# Altium PCB Thrust Stand Board.PcbDoc (continued)
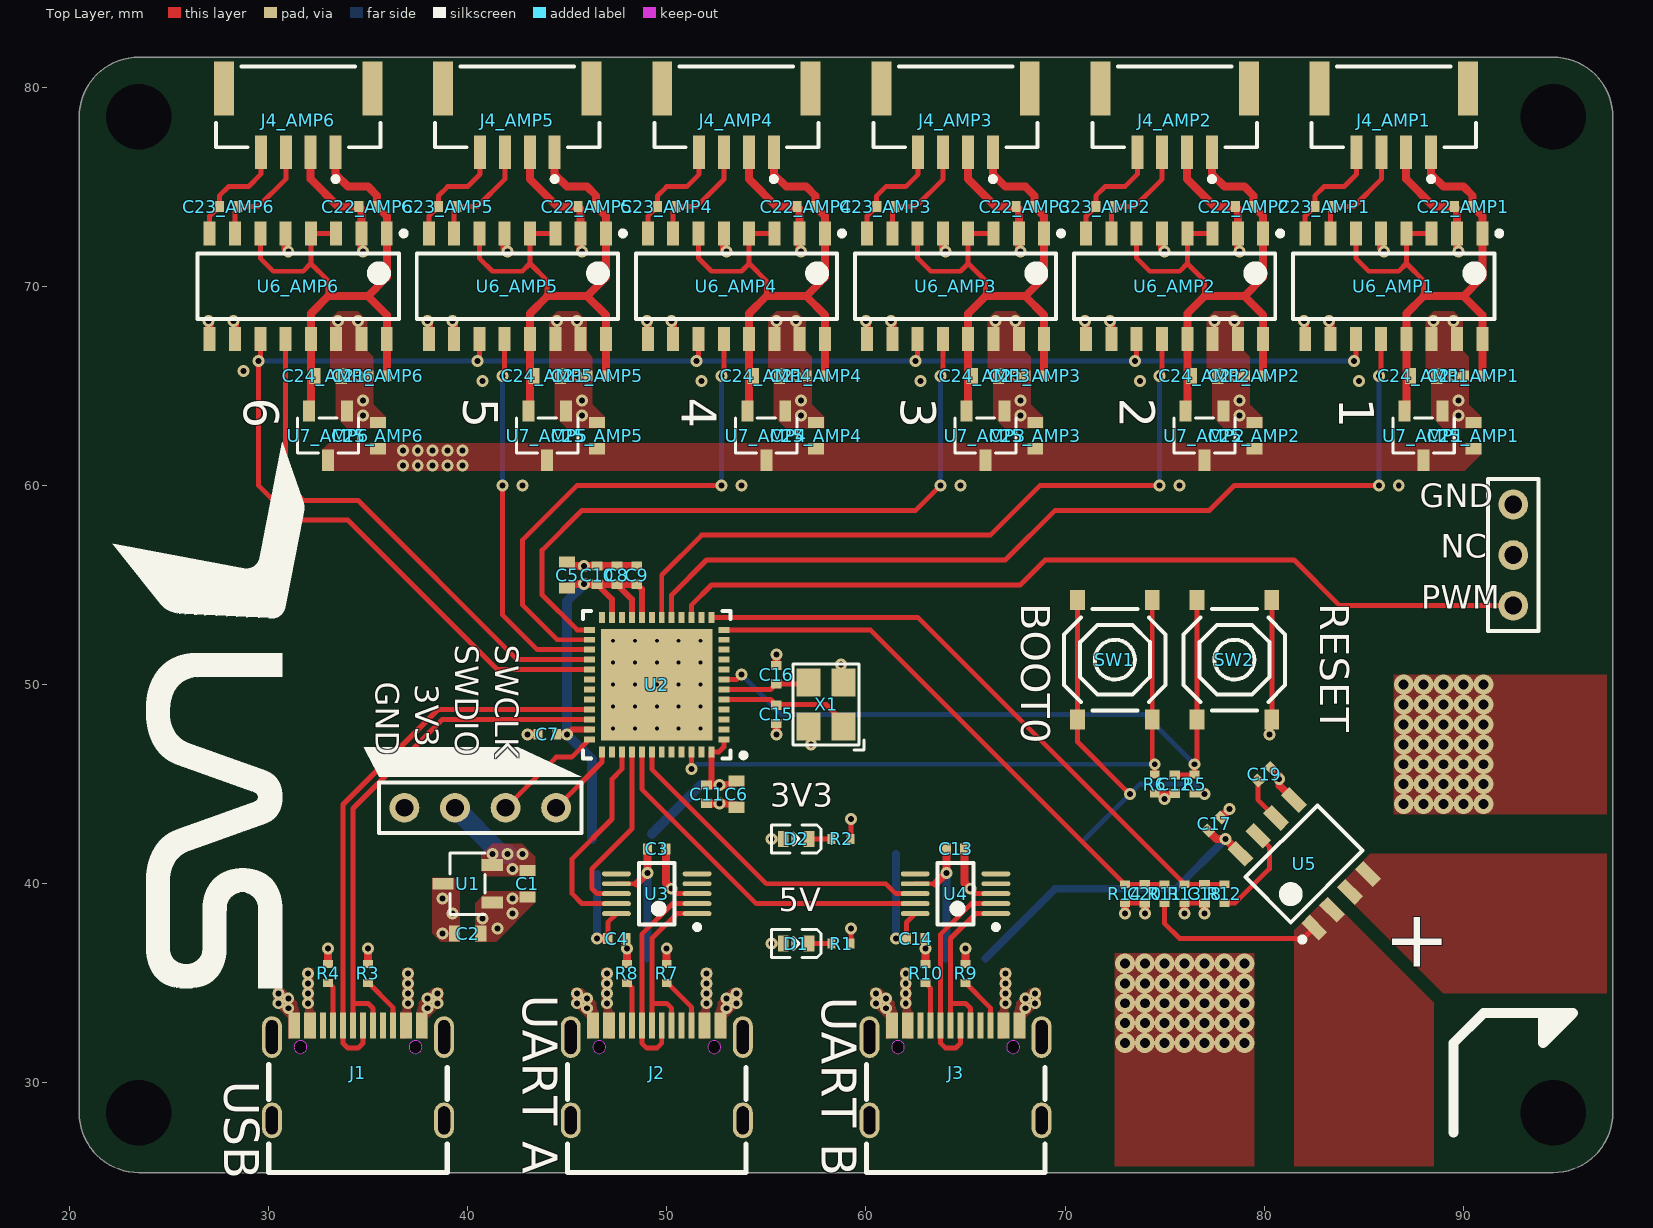
[diagram p0: Top Layer view]
## Footprints (in the part's own frame and the unit in brackets; to place one, negate y for a bottom-side part, rotate by r counter-clockwise, add the part's x,y. Pads: shape width x height; smd on the part's side, far side on the other; paste and mask are expansions set on the pad) (continued)
  silkscreen extent -2.55,-2.55 2.55,2.55, body extent -3.25,-2.55 3.25,2.55, height 1.4
USB-TYPE-C-12+4P [mm]
  oval 1x2.1 hole 0.6 slot 1.7 at 90 deg mask+0.05: 1(-4.32,1.801) 2(4.32,1.801)
  oval 1x1.8 hole 0.6 slot 1.4 at 90 deg mask+0.05: 3(-4.32,-2.379) 4(4.32,-2.379)
  round 0 hole 0.65 unplated: 6(-2.89,1.302) 7(2.89,1.301)
  rect 0.6x1.3 smd mask+0.05: A1B12(-3.2,2.379) A4B9(-2.4,2.379) B1A12(3.2,2.379) B4A9(2.4,2.379)
  rect 0.3x1.3 smd mask+0.05: A5(-1.25,2.379) A6(-0.25,2.379) A7(0.25,2.379) A8(1.25,2.379) B5(1.75,2.379) B6(0.75,2.379) B7(-0.75,2.379) B8(-1.75,2.379)
  Keep-Out Layer board cut-out: -2.565,1.302 -2.597,1.443 -2.687,1.556 -2.818,1.619 -2.962,1.619 -3.093,1.556 -3.183,1.443 -3.215,1.302 -3.215,1.302 -3.183,1.161 -3.093,1.048 -2.962,0.985 -2.818,0.985 -2.687,1.048 -2.597,1.161 -2.565,1.302
  Keep-Out Layer board cut-out: 3.215,1.301 3.183,1.442 3.093,1.555 2.962,1.618 2.818,1.618 2.687,1.555 2.597,1.442 2.565,1.301 2.565,1.301 2.597,1.16 2.687,1.047 2.818,0.984 2.962,0.984 3.093,1.047 3.183,1.16 3.215,1.301
  silkscreen extent -4.48,-4.99 4.48,0.44, body extent -4.47,-4.95 4.47,2.95, height 3.23

## Part data
C1 C2 C5 C6 C24_AMP1 C24_AMP2 C24_AMP3 C24_AMP4 C24_AMP5 C24_AMP6 C25_AMP1 C25_AMP2 C25_AMP3 C25_AMP4 C25_AMP5 C25_AMP6: library part "Generic CAP 0603"
C3 C4 C7 C8 C9 C10 C11 C12 C13 C14 C15 C16 C17 C18 C19 C20 C21_AMP1 C21_AMP2 C21_AMP3 C21_AMP4 C21_AMP5 C21_AMP6 C22_AMP1 C22_AMP2 C22_AMP3 C22_AMP4 C22_AMP5 C22_AMP6 C23_AMP1 C23_AMP2 C23_AMP3 C23_AMP4 C23_AMP5 C23_AMP6: library part "Generic CAP 0402"
J1 J2 J3: "Connector Type:Type-C Standard:- Gender:Female Number of Contacts:16 Number of Ports:1 Mounting Style:Surface Mount Current Rating - Power (Max):3A Operating Temperature Range:-25℃~+85℃ Operating Temperature Range:-25℃~+85℃", Current Rating - Power (Max)=3A, JLCPCB Part Class="Extended Part", LCSC Part Name="Type-C 母座 卧贴", Manufacturer=DEALON(德艺隆), Operating Temperature Range=-25℃~+85℃, Add into BOM=yes, Connector Type=Type-C, Convert to PCB=yes, Datasheet=https://atta.szlcsc.com/upload/public/pdf/source/20211217/CCD3D517E355E8E0CC52ABD8D5784AD8.pdf, Device=USB-TYPE-C-019, Gender=Female, Manufacturer Part=USB-TYPE-C-019, Mounting Style="Surface Mount", Number of Contacts=16, Number of Ports=1, Standard=-, Supplier=LCSC, Supplier Footprint=SMD, Supplier Part=C2927039, Symbol=USB-TYPE-C-019
J4_AMP1 J4_AMP2 J4_AMP3 J4_AMP4 J4_AMP5 J4_AMP6: library part CMP-17439-000411-1, "CONN HEADER SMD R/A 4POS 1.25MM", Current Rating=1A, Housing Color=Natural, Voltage Rating=50V, Contact Material=Bronze, Contact Plating=Tin, Housing Material=Nylon, Lead Free="Lead Free", Mount="Surface Mount", Number of Contacts=4, Number of Positions=4, Number of Rows=1, Orientation="Right Angle", Packaging="Cut Tape", Pitch=1.25mm, REACH SVHC="No SVHC", Series=GH, Termination=Solder
R1 R2 R3 R4 R5 R6 R7 R8 R9 R10 R11 R12 R13 R14: library part "Generic RES 0402"
SW1 SW2: library part "Push Button TS-1187A-B-A-B", JLCPCB Part Class="Basic Part", Add into BOM=yes, Convert to PCB=yes, Device=TS-1187A-B-A-B, Manufacturer Part=TS-1187A-B-A-B, Supplier=LCSC, Supplier Part=C318884, Symbol=TS-1187A-B-A-B
U1 U7_AMP1 U7_AMP2 U7_AMP3 U7_AMP4 U7_AMP5 U7_AMP6: library part "3.3V Regulator XC6206P332MR_C5446", "Output Type: Output Polarity:Positive Number of Outputs:1 Maximum Input Voltage:6V Output Voltage:3.3V~3.3V Output Voltage:3.3V~3.3V Dropout Voltage:680mV@(100mA) Output Current:200mA Power Supply Rejection Ratio (PSRR):-", Dropout Voltage=680mV@(100mA), JLCPCB Part Class="Basic Part", LCSC Part Name="正 Vin=6V Vout=3.3V 200mA", Manufacturer=TOREX(特瑞仕), Maximum Input Voltage=6V, Output Current=200mA, Output Voltage=3.3V~3.3V, Power Supply Rejection Ratio (PSRR)=-, Add into BOM=yes, Convert to PCB=yes, Datasheet=https://atta.szlcsc.com/upload/public/pdf/source/20130801/1457706628791.pdf, Device=XC6206P332MR_C5446, Manufacturer Part=XC6206P332MR, Number of Outputs=1, Output Polarity=Positive, Supplier=LCSC, Supplier Footprint=SOT-23-3L, Supplier Part=C5446, Symbol=XC6206P332MR
U5: library part MT9223CT-XXXR5
X1: library part "Crystal 25MHz X322525MOB4SI", "Crystal Type:SMD Crystal Resonator Frequency: Frequency Tolerance:±10ppm Frequency Tolerance:±10ppm Frequency Stability:±30ppm Frequency Stability:±30ppm Load Capacitance: Operating Temperature: Operating Temperature:", Frequency Stability=±30ppm, Frequency Tolerance=±10ppm, JLCPCB Part Class="Basic Part", LCSC Part Name="25MHz ±10ppm 12pF", Manufacturer=YXC(扬兴晶振), Manufacturer Part=X322525MOB4SI, Add into BOM=yes, Convert to PCB=yes, Crystal Type="SMD Crystal Resonator", Datasheet=https://atta.szlcsc.com/upload/public/pdf/source/20210329/C112971_1F611BDC486E193C1706F6D8EB5AA189.pdf, Device=X322525MOB4SI, Supplier=LCSC, Supplier Footprint=SMD3225-4P, Supplier Part=C9006, Symbol=X322525MOB4SI

## Free pads (board coordinates)
  round 0 hole 3.3 unplated: HS9(23.5,28.5) HS9(23.5,78.5) HS9(94.5,28.5) HS9(94.5,78.5)
  round 1.5 hole 0.9: HS10(36.83,43.815) HS10(39.37,43.815) HS10(41.91,43.815) HS10(44.45,43.815) HS10(92.5,53.96) HS10(92.5,56.5) HS10(92.5,59.04)

## Via types
v1: diameter 0.6, hole 0.3, Top Layer to Bottom Layer, tented both sides, 191 vias
v2: diameter 1, hole 0.5, Top Layer to Bottom Layer, tented both sides, 70 vias
v3: diameter 0.5, hole 0.2, Top Layer to Bottom Layer, tented bottom, 25 vias

## Nets (pads, with @x,y where several pads share a name; then routed paths per layer and width w, separated by ;. In a path a pad name is that pad's centre, name@x,y a point inside that pad or via, vN(x,y) a via of type N, cw(c..) or ccw(c..) an arc to the next point about the centre after c; other vN are vias at no path point)
+3.3: C1.2 C4.2 C5.2 C6.2 C7.2 C8.2 C9.2 C10.2 C11.2 C14.2 D2.1 pad.HS10@39.37,43.815 R5.2 SW1.3 SW1.4 U1.2 U2.1 U2.20 U2.21 U2.23 U2.35 U2.48 U3.10 U4.10 | length 67.4
  Top Layer w0.25: C4.2 47.04,38.065 U3.10 ; U2.48 52.625,46.625 52.875,46.875 U2.1 ; v1(55.25,42.25) D2.1 ; C14.2 62.04,38.065 U4.10 ; SW1.3 SW1.4 70.625,47.125 v1(73.25,44.5)
  Top Layer w0.3: v1(45,47.5) 45.25,47.75 U2.35 ; C10.2 47.25,54.29 U2.23 ; C8.2 48.25,54.29 U2.21 ; C9.2 48.75,54.79 U2.20 ; C11.2 52.25,45.21 U2.48
  Top Layer w0.4: C7.2 v1(45,47.5) ; C5.2 45.2,55.04 v1(45.85,55.04) C10.2 C8.2 C9.2 ; v1(46.5,37.25) C4.2 ; C11.2 v1(52.65,44.96) 53.3,44.96 C6.2 ; v1(61.5,37.25) C14.2
  Bottom Layer w0.25: 71,42.25 v1(73.25,44.5) 73.75,45 76.5,45 v1(77,44.5)
  Bottom Layer w0.4: v1(46.5,37.25) 46.5,40.5 ; v1(61.5,37.25) 61.5,41.5
  Bottom Layer w0.5: v1(45.85,55.04) 45,54.19 v1(45,47.5) 46.25,46.25 46.25,42.25 ; 49.25,42.5 51.71,44.96 v1(52.65,44.96)
  Bottom Layer w1: pad.HS10@39.37,43.815 41.685,41.5 v1(42,41.5)
  other v1: 42.25,40.75 41.25,41.5 42.75,41.5
+5: C2.2 C3.2 C13.2 C17.2 C25_AMP1.2 C25_AMP2.2 C25_AMP3.2 C25_AMP4.2 C25_AMP5.2 C25_AMP6.2 D1.1 J1.A4B9 J1.B4A9 J2.A4B9 J2.B4A9 J3.A4B9 J3.B4A9 U1.3 U3.7 U4.7 U5.8 U7_AMP1.3 U7_AMP2.3 U7_AMP3.3 U7_AMP4.3 U7_AMP5.3 U7_AMP6.3 | length 31.9
  Top Layer w0.25: U3.7 48.5,40 ; v1(55.25,37) D1.1 ; U4.7 63.5,40
  Top Layer w0.4: 48.5,40 v1(49.04,40.54) C3.2 ; 63.5,40 v1(64.04,40.54) C13.2 ; C17.2 77.599,42.25 v1(78.056,42.25) U5.8
  Bottom Layer w0.4: 49,36.25 49.04,36.29 v1(49.04,40.54) ; 64,36.25 64.04,36.29 v1(64.04,40.54) ; 66,36.25 69.5,39.75 75.556,39.75 v1(78.056,42.25)
  other v1: 32,34 37,34 47,34 52,34 62,34 67,34 32,34.5 37,34.5 47,34.5 52,34.5 62,34.5 67,34.5 32,35 37,35 47,35 52,35 62,35 67,35 32,35.5 37,35.5 47,35.5 52,35.5 62,35.5 67,35.5 38.75,37.5 39.25,38.5 38.75,39.25 36.75,61 37.5,61 38.25,61 39,61 39.75,61 36.75,61.75 37.5,61.75 38.25,61.75 39,61.75 39.75,61.75
BATTIN: R11.2 U5.1 U5.2 | length 9.1
  Top Layer w0.25: R11.2 75,38 75.75,37.25 81.962,37.25 U5.1
BATTOUT: U5.3 U5.4
BOOT0: R6.1 SW1.1 SW1.2 U2.46 | length 33.1
  Top Layer w0.25: v1(51.25,45.75) U2.46 ; SW1.1 SW1.2 74.375,46.125 v1(74.5,46) R6.1
  Bottom Layer w0.25: v1(51.25,45.75) 51.5,46 v1(74.5,46)
DOUT_AMP1: U2.17 U6_AMP1.12 | length 46.3
  Top Layer w0.25: U2.17 50.25,54.5 52,56.25 67,56.25 69.5,58.75 77.25,58.75 78.5,60 v1(85.75,60) ; v1(85.75,65.5) 85.865,65.615 U6_AMP1.12
  Bottom Layer w0.25: v1(85.75,60) v1(85.75,65.5)
DOUT_AMP2: U2.18 U6_AMP2.12 | length 36.4
  Top Layer w0.25: U2.18 49.75,55.5 51.75,57.5 66.25,57.5 68.75,60 v1(74.75,60) ; v1(74.75,65.5) 74.865,65.615 U6_AMP2.12
  Bottom Layer w0.25: v1(74.75,60) v1(74.75,65.5)
DOUT_AMP3: U2.25 U6_AMP3.12 | length 34.1
  Top Layer w0.25: U2.25 45.5,52.75 43.75,54.5 43.75,56.75 45.75,58.75 62.5,58.75 v1(63.75,60) ; v1(63.75,65.5) 63.865,65.615 U6_AMP3.12
  Bottom Layer w0.25: v1(63.75,60) v1(63.75,65.5)
DOUT_AMP4: U2.26 U6_AMP4.12 | length 25.9
  Top Layer w0.25: U2.26 44.5,52.25 42.75,54 42.75,57.25 45.5,60 v1(52.75,60) ; v1(52.75,65.5) 52.865,65.615 U6_AMP4.12
  Bottom Layer w0.25: v1(52.75,60) v1(52.75,65.5)
DOUT_AMP5: U2.27 U6_AMP5.12 | length 19
  Top Layer w0.25: v1(41.75,60) 41.75,53.5 43.5,51.75 U2.27 ; v1(41.75,65.5) 41.865,65.615 U6_AMP5.12
  Bottom Layer w0.25: v1(41.75,60) v1(41.75,65.5)
DOUT_AMP6: U2.28 U6_AMP6.12 | length 26.2
  Top Layer w0.25: U6_AMP6.12 30.865,60.135 31.75,59.25 34.5,59.25 42.5,51.25 U2.28
ESC_OUT: pad.HS10@92.5,53.96 U2.15 | length 43.8
  Top Layer w0.25: U2.15 51.25,54 52.25,55 67.75,55 69,56.25 81.5,56.25 83.79,53.96 pad.HS10@92.5,53.96
GND: C1.1 C2.1 C3.1 C4.1 C5.1 C6.1 C7.1 C8.1 C9.1 C10.1 C11.1 C12.1 C13.1 C14.1 C15.1 C16.1 C17.1 C18.1 C19.1 C20.1 C21_AMP1.1 C21_AMP2.1 C21_AMP3.1 C21_AMP4.1 C21_AMP5.1 C21_AMP6.1 C22_AMP1.1 C22_AMP2.1 C22_AMP3.1 C22_AMP4.1 C22_AMP5.1 C22_AMP6.1 C24_AMP1.1 C24_AMP2.1 C24_AMP3.1 C24_AMP4.1 C24_AMP5.1 C24_AMP6.1 C25_AMP1.1 C25_AMP2.1 C25_AMP3.1 C25_AMP4.1 C25_AMP5.1 C25_AMP6.1 J1.A1B12 J1.B1A12 J2.A1B12 J2.B1A12 J3.A1B12 J3.B1A12 J4_AMP1.2 J4_AMP2.2 J4_AMP3.2 J4_AMP4.2 J4_AMP5.2 J4_AMP6.2 pad.HS10@36.83,43.815 pad.HS10@92.5,59.04 R1.1 R2.1 R3.1 R4.1 R6.2 R7.1 R8.1 R9.1 R10.1 R13.1 R14.1 SW2.1 SW2.2 U1.1 U2.49 U3.3 U4.3 U5.5 U6_AMP1.2 U6_AMP1.5 U6_AMP1.9 U6_AMP1.10 U6_AMP1.14 U6_AMP1.15 U6_AMP2.2 U6_AMP2.5 U6_AMP2.9 U6_AMP2.10 U6_AMP2.14 U6_AMP2.15 U6_AMP3.2 U6_AMP3.5 U6_AMP3.9 U6_AMP3.10 U6_AMP3.14 U6_AMP3.15 U6_AMP4.2 U6_AMP4.5 U6_AMP4.9 U6_AMP4.10 U6_AMP4.14 U6_AMP4.15 U6_AMP5.2 U6_AMP5.5 U6_AMP5.9 U6_AMP5.10 U6_AMP5.14 U6_AMP5.15 U6_AMP6.2 U6_AMP6.5 U6_AMP6.9 U6_AMP6.10 U6_AMP6.14 U6_AMP6.15 U7_AMP1.1 U7_AMP2.1 U7_AMP3.1 U7_AMP4.1 U7_AMP5.1 U7_AMP6.1 X1.2 X1.4 | length 92
  Top Layer w0.25: v1(50.25,39.75) 50.5,39.5 U3.3 ; R1.1 59.25,37.025 v1(59.25,37.75) ; R2.1 59.25,42.275 v1(59.25,43.25) ; v1(65.25,39.75) 65.5,39.5 U4.3 ; R14.1 73.015,39.04 C20.1 ; R6.2 75.485,44.525 C12.1 ; R13.1 76.015,39.04 C18.1 ; SW2.2@80.375,48 SW2.1@80.375,54
  Top Layer w0.4: v1(27,68.25) 27.055,68.195 U6_AMP6.9 ; v1(28.25,68.25) 28.325,68.175 U6_AMP6.10 ; U6_AMP6.5 30.865,71.885 v1(31,71.75) ; J4_AMP6.2 32.125,75.375 33.5,74 C22_AMP6.1 34.675,73.865 U6_AMP6.2 34.675,71.825 v1(34.75,71.75) ; R4.1 v1(33,36.75) ; R3.1 v1(35,36.75) ; v1(38,68.25) 38.055,68.195 U6_AMP5.9 ; v1(39.25,68.25) 39.325,68.175 U6_AMP5.10 ; U6_AMP5.5 41.865,71.885 v1(42,71.75) ; v1(43,47.5) C7.1 ; J4_AMP5.2 43.125,75.375 44.5,74 C22_AMP5.1 45.675,73.865 U6_AMP5.2 45.675,71.825 v1(45.75,71.75) ; C5.1 45.2,55.96 C10.1 C8.1 C9.1 ; C4.1 47.96,36.79 v1(48,36.75) R8.1 ; v1(49,68.25) 49.055,68.195 U6_AMP4.9 ; C3.1 49.96,40.04 v1(50.25,39.75) ; R7.1 v1(50,36.75) ; v1(50.25,68.25) 50.325,68.175 U6_AMP4.10 ; C11.1 53.3,44.04 C6.1 ; U6_AMP4.5 52.865,71.885 v1(53,71.75) ; J4_AMP4.2 54.125,75.375 55.5,74 C22_AMP4.1 56.675,73.865 U6_AMP4.2 56.675,71.825 v1(56.75,71.75) ; v1(55.5,47.5) C15.1 ; C16.1 v1(55.5,51.5) ; v1(60,68.25) 60.055,68.195 U6_AMP3.9 ; v1(61.25,68.25) 61.325,68.175 U6_AMP3.10 ; C14.1 62.96,36.79 v1(63,36.75) R10.1 ; U6_AMP3.5 63.865,71.885 v1(64,71.75) ; C13.1 64.96,40.04 v1(65.25,39.75) ; R9.1 v1(65,36.75) ; J4_AMP3.2 65.125,75.375 66.5,74 C22_AMP3.1 67.675,73.865 U6_AMP3.2 67.675,71.825 v1(67.75,71.75) ; v1(71,68.25) 71.055,68.195 U6_AMP2.9 ; v1(72.25,68.25) 72.325,68.175 U6_AMP2.10 ; v1(73,38.5) R14.1 ; v1(74,38.5) C20.1 ; U6_AMP2.5 74.865,71.885 v1(75,71.75) ; v1(76,38.5) R13.1 ; J4_AMP2.2 76.125,75.375 77.5,74 C22_AMP2.1 78.675,73.865 U6_AMP2.2 78.675,71.825 v1(78.75,71.75) ; v1(77,38.5) C18.1 ; C17.1 v1(78.25,43.75) ; C19.1 80.75,45.401 v1(80.75,45.25) 80.75,44.944 U5.5 ; v1(82,68.25) 82.055,68.195 U6_AMP1.9 ; v1(83.25,68.25) 83.325,68.175 U6_AMP1.10 ; U6_AMP1.5 85.865,71.885 v1(86,71.75) ; J4_AMP1.2 87.125,75.375 88.5,74 C22_AMP1.1 89.675,73.865 U6_AMP1.2 89.675,71.825 v1(89.75,71.75)
  other v1: 31,33.75 38,33.75 46,33.75 53,33.75 61,33.75 68,33.75 30.5,34 38.5,34 45.5,34 53.5,34 60.5,34 68.5,34 31,34.25 38,34.25 46,34.25 53,34.25 61,34.25 68,34.25 30.5,34.5 38.5,34.5 45.5,34.5 53.5,34.5 60.5,34.5 68.5,34.5 41.5,37.75 40.75,38.25 42.25,38.5 42.25,39.25 52.65,44.04 75,44.25 57.25,47 80.25,47.5 58.75,51 45.85,55.96 42.75,60 53.75,60 64.75,60 75.75,60 86.75,60 34.75,63.5 45.75,63.5 56.75,63.5 67.75,63.5 78.75,63.5 89.75,63.5 34.75,64.25 45.75,64.25 56.75,64.25 67.75,64.25 78.75,64.25 89.75,64.25 40.75,65.25 51.75,65.25 62.75,65.25 73.75,65.25 84.75,65.25 34.5,65.5 45.5,65.5 56.5,65.5 67.5,65.5 78.5,65.5 89.5,65.5 28.75,65.75 33.5,68.25 34.5,68.25 44.5,68.25 45.5,68.25 55.5,68.25 56.5,68.25 66.5,68.25 67.5,68.25 77.5,68.25 78.5,68.25 88.5,68.25 89.5,68.25
  other v2: 73,32 74,32 75,32 76,32 77,32 78,32 79,32 73,33 74,33 75,33 76,33 77,33 78,33 79,33 73,34 74,34 75,34 76,34 77,34 78,34 79,34 73,35 74,35 75,35 76,35 77,35 78,35 79,35 73,36 74,36 75,36 76,36 77,36 78,36 79,36 87,44 88,44 89,44 90,44 91,44 87,45 88,45 89,45 90,45 91,45 87,46 88,46 89,46 90,46 91,46 87,47 88,47 89,47 90,47 91,47 87,48 88,48 89,48 90,48 91,48 87,49 88,49 89,49 90,49 91,49 87,50 88,50 89,50 90,50 91,50
  other v3: 47.3,47.8 48.4,47.8 49.5,47.8 50.6,47.8 51.7,47.8 47.3,48.9 48.4,48.9 49.5,48.9 50.6,48.9 51.7,48.9 47.3,50 48.4,50 49.5,50 50.6,50 51.7,50 47.3,51.1 48.4,51.1 49.5,51.1 50.6,51.1 51.7,51.1 47.3,52.2 48.4,52.2 49.5,52.2 50.6,52.2 51.7,52.2
HX_SCK: U2.29 U6_AMP1.11 U6_AMP2.11 U6_AMP3.11 U6_AMP4.11 U6_AMP5.11 U6_AMP6.11 | length 88.5
  Top Layer w0.25: U6_AMP6.11 29.595,66.345 v1(29.5,66.25) 29.5,60 31.25,58.25 34,58.25 41.5,50.75 U2.29 ; v1(40.5,66.25) 40.595,66.345 U6_AMP5.11 ; v1(51.5,66.25) 51.595,66.345 U6_AMP4.11 ; v1(62.5,66.25) 62.595,66.345 U6_AMP3.11 ; v1(73.5,66.25) 73.595,66.345 U6_AMP2.11 ; v1(84.5,66.25) 84.595,66.345 U6_AMP1.11
  Bottom Layer w0.25: v1(29.5,66.25) v1(40.5,66.25) v1(51.5,66.25) v1(62.5,66.25) v1(73.5,66.25) v1(84.5,66.25)
I_SENSE: C18.2 R12.1 R13.2 U2.13 | length 31.3
  Top Layer w0.25: U2.13 62.6,53.375 R13.2 77,39.975 R12.1
MCUD_N: J1.A7 J1.B7 U2.33 | length 28.4
  Top Layer w0.25: J1.A7 34.75,32 34.5,31.75 34,31.75 33.75,32 J1.B7 33.75,43.982 38.518,48.75 U2.33
MCUD_P: J1.A6 J1.B6 U2.34 | length 26.6
  Top Layer w0.25: J1.A6@34.25,32.879 34.25,34 ; J1.B6 35.25,33.75 35,34 34.25,34 ; U2.34 38.725,48.25 34.25,43.775 34.25,34
NetC15_2: C15.2 U2.5 X1.1 | length 6.7
  Top Layer w0.25: U2.5 55.21,49.25 C15.2 55.54,49 58,49 58.875,48.125 X1.1
NetC16_2: C16.2 U2.6 X1.3 | length 4.4
  Top Layer w0.25: U2.6 55.21,49.75 C16.2 57.065,50.04 X1.3
NetC19_2: C19.2 U5.6 | length 2.2
  Top Layer w0.25: C19.2 79.675,44.223 U5.6
NetC21_AMP1_2: C21_AMP1.2 C22_AMP1.2 C24_AMP1.2 J4_AMP1.1 U6_AMP1.1 U6_AMP1.3 U6_AMP1.4 U6_AMP1.6 U6_AMP1.13 U6_AMP1.16 U7_AMP1.2 | length 30.8
  Top Layer w0.25: U6_AMP1.6 84.595,71.405 85.25,70.75 86.75,70.75 87.135,71.135 ; 88,69.5 88,70.27 87.135,71.135 ; U6_AMP1.3 U6_AMP1.4 87.135,71.135
  Top Layer w0.4: U7_AMP1.2 87.135,63.82 U6_AMP1.13 87.135,68.635 88,69.5 90,69.5 ; J4_AMP1.1 88.375,75.625 89,75 90,75 90.46,74.54 C22_AMP1.2 90.945,73.515 U6_AMP1.1 90.945,70.445 90,69.5 ; C21_AMP1.2 90.945,65.515 U6_AMP1.16 90.945,68.555 90,69.5
NetC21_AMP2_2: C21_AMP2.2 C22_AMP2.2 C24_AMP2.2 J4_AMP2.1 U6_AMP2.1 U6_AMP2.3 U6_AMP2.4 U6_AMP2.6 U6_AMP2.13 U6_AMP2.16 U7_AMP2.2 | length 30.8
  Top Layer w0.25: U6_AMP2.6 73.595,71.405 74.25,70.75 75.75,70.75 76.135,71.135 ; 77,69.5 77,70.27 76.135,71.135 ; U6_AMP2.3 U6_AMP2.4 76.135,71.135
  Top Layer w0.4: U7_AMP2.2 76.135,63.82 U6_AMP2.13 76.135,68.635 77,69.5 79,69.5 ; J4_AMP2.1 77.375,75.625 78,75 79,75 79.46,74.54 C22_AMP2.2 79.945,73.515 U6_AMP2.1 79.945,70.445 79,69.5 ; C21_AMP2.2 79.945,65.515 U6_AMP2.16 79.945,68.555 79,69.5
NetC21_AMP3_2: C21_AMP3.2 C22_AMP3.2 C24_AMP3.2 J4_AMP3.1 U6_AMP3.1 U6_AMP3.3 U6_AMP3.4 U6_AMP3.6 U6_AMP3.13 U6_AMP3.16 U7_AMP3.2 | length 30.8
  Top Layer w0.25: U6_AMP3.6 62.595,71.405 63.25,70.75 64.75,70.75 65.135,71.135 ; 66,69.5 66,70.27 65.135,71.135 ; U6_AMP3.3 U6_AMP3.4 65.135,71.135
  Top Layer w0.4: U7_AMP3.2 65.135,63.82 U6_AMP3.13 65.135,68.635 66,69.5 68,69.5 ; J4_AMP3.1 66.375,75.625 67,75 68,75 68.46,74.54 C22_AMP3.2 68.945,73.515 U6_AMP3.1 68.945,70.445 68,69.5 ; C21_AMP3.2 68.945,65.515 U6_AMP3.16 68.945,68.555 68,69.5
NetC21_AMP4_2: C21_AMP4.2 C22_AMP4.2 C24_AMP4.2 J4_AMP4.1 U6_AMP4.1 U6_AMP4.3 U6_AMP4.4 U6_AMP4.6 U6_AMP4.13 U6_AMP4.16 U7_AMP4.2 | length 30.8
  Top Layer w0.25: U6_AMP4.6 51.595,71.405 52.25,70.75 53.75,70.75 54.135,71.135 ; 55,69.5 55,70.27 54.135,71.135 ; U6_AMP4.3 U6_AMP4.4 54.135,71.135
  Top Layer w0.4: U7_AMP4.2 54.135,63.82 U6_AMP4.13 54.135,68.635 55,69.5 57,69.5 ; J4_AMP4.1 55.375,75.625 56,75 57,75 57.46,74.54 C22_AMP4.2 57.945,73.515 U6_AMP4.1 57.945,70.445 57,69.5 ; C21_AMP4.2 57.945,65.515 U6_AMP4.16 57.945,68.555 57,69.5
NetC21_AMP5_2: C21_AMP5.2 C22_AMP5.2 C24_AMP5.2 J4_AMP5.1 U6_AMP5.1 U6_AMP5.3 U6_AMP5.4 U6_AMP5.6 U6_AMP5.13 U6_AMP5.16 U7_AMP5.2 | length 30.8
  Top Layer w0.25: U6_AMP5.6 40.595,71.405 41.25,70.75 42.75,70.75 43.135,71.135 ; 44,69.5 44,70.27 43.135,71.135 ; U6_AMP5.3 U6_AMP5.4 43.135,71.135
  Top Layer w0.4: U7_AMP5.2 43.135,63.82 U6_AMP5.13 43.135,68.635 44,69.5 46,69.5 ; J4_AMP5.1 44.375,75.625 45,75 46,75 46.46,74.54 C22_AMP5.2 46.945,73.515 U6_AMP5.1 46.945,70.445 46,69.5 ; C21_AMP5.2 46.945,65.515 U6_AMP5.16 46.945,68.555 46,69.5
NetC21_AMP6_2: C21_AMP6.2 C22_AMP6.2 C24_AMP6.2 J4_AMP6.1 U6_AMP6.1 U6_AMP6.3 U6_AMP6.4 U6_AMP6.6 U6_AMP6.13 U6_AMP6.16 U7_AMP6.2 | length 30.8
  Top Layer w0.25: U6_AMP6.6 29.595,71.405 30.25,70.75 31.75,70.75 32.135,71.135 ; 33,69.5 33,70.27 32.135,71.135 ; U6_AMP6.3 U6_AMP6.4 32.135,71.135
  Top Layer w0.4: U7_AMP6.2 32.135,63.82 U6_AMP6.13 32.135,68.635 33,69.5 35,69.5 ; J4_AMP6.1 33.375,75.625 34,75 35,75 35.46,74.54 C22_AMP6.2 35.945,73.515 U6_AMP6.1 35.945,70.445 35,69.5 ; C21_AMP6.2 35.945,65.515 U6_AMP6.16 35.945,68.555 35,69.5
NetC23_AMP1_1: C23_AMP1.1 J4_AMP1.4 U6_AMP1.8 | length 5.7
  Top Layer w0.25: U6_AMP1.8 82.055,73.515 C23_AMP1.1 82.54,74.54 83,75 84,75 84.625,75.625 J4_AMP1.4
NetC23_AMP1_2: C23_AMP1.2 J4_AMP1.3 U6_AMP1.7 | length 5.7
  Top Layer w0.25: U6_AMP1.7 83.325,73.865 C23_AMP1.2 84.5,74 85.875,75.375 J4_AMP1.3
NetC23_AMP2_1: C23_AMP2.1 J4_AMP2.4 U6_AMP2.8 | length 5.7
  Top Layer w0.25: U6_AMP2.8 71.055,73.515 C23_AMP2.1 71.54,74.54 72,75 73,75 73.625,75.625 J4_AMP2.4
NetC23_AMP2_2: C23_AMP2.2 J4_AMP2.3 U6_AMP2.7 | length 5.7
  Top Layer w0.25: U6_AMP2.7 72.325,73.865 C23_AMP2.2 73.5,74 74.875,75.375 J4_AMP2.3
NetC23_AMP3_1: C23_AMP3.1 J4_AMP3.4 U6_AMP3.8 | length 5.7
  Top Layer w0.25: U6_AMP3.8 60.055,73.515 C23_AMP3.1 60.54,74.54 61,75 62,75 62.625,75.625 J4_AMP3.4
NetC23_AMP3_2: C23_AMP3.2 J4_AMP3.3 U6_AMP3.7 | length 5.7
  Top Layer w0.25: U6_AMP3.7 61.325,73.865 C23_AMP3.2 62.5,74 63.875,75.375 J4_AMP3.3
NetC23_AMP4_1: C23_AMP4.1 J4_AMP4.4 U6_AMP4.8 | length 5.7
  Top Layer w0.25: U6_AMP4.8 49.055,73.515 C23_AMP4.1 49.54,74.54 50,75 51,75 51.625,75.625 J4_AMP4.4
NetC23_AMP4_2: C23_AMP4.2 J4_AMP4.3 U6_AMP4.7 | length 5.7
  Top Layer w0.25: U6_AMP4.7 50.325,73.865 C23_AMP4.2 51.5,74 52.875,75.375 J4_AMP4.3
NetC23_AMP5_1: C23_AMP5.1 J4_AMP5.4 U6_AMP5.8 | length 5.7
  Top Layer w0.25: U6_AMP5.8 38.055,73.515 C23_AMP5.1 38.54,74.54 39,75 40,75 40.625,75.625 J4_AMP5.4
NetC23_AMP5_2: C23_AMP5.2 J4_AMP5.3 U6_AMP5.7 | length 5.7
  Top Layer w0.25: U6_AMP5.7 39.325,73.865 C23_AMP5.2 40.5,74 41.875,75.375 J4_AMP5.3
NetC23_AMP6_1: C23_AMP6.1 J4_AMP6.4 U6_AMP6.8 | length 5.7
  Top Layer w0.25: U6_AMP6.8 27.055,73.515 C23_AMP6.1 27.54,74.54 28,75 29,75 29.625,75.625 J4_AMP6.4
NetC23_AMP6_2: C23_AMP6.2 J4_AMP6.3 U6_AMP6.7 | length 5.7
  Top Layer w0.25: U6_AMP6.7 28.325,73.865 C23_AMP6.2 29.5,74 30.875,75.375 J4_AMP6.3
NetD1_2: D1.2 R1.2 | length 1.1
  Top Layer w0.25: D1.2 R1.2
NetD2_2: D2.2 R2.2 | length 1.1
  Top Layer w0.25: D2.2 R2.2
NetJ1_A5: J1.A5 R4.2 | length 2.2
  Top Layer w0.25: R4.2@33,35.05 33.25,34.8 J1.A5@33.25,32.904
NetJ1_B5: J1.B5 R3.2 | length 2.7
  Top Layer w0.25: R3.2@35,35.05 36.25,33.8 J1.B5@36.25,32.904
NetJ2_A5: J2.A5 R8.2 | length 2.2
  Top Layer w0.25: R8.2@48,35.05 48.25,34.8 J2.A5@48.25,32.904
NetJ2_B5: J2.B5 R7.2 | length 2.7
  Top Layer w0.25: R7.2@50,35.05 51.25,33.8 J2.B5@51.25,32.904
NetJ3_A5: J3.A5 R10.2 | length 2.3
  Top Layer w0.25: R10.2@62.96,35.05 63.25,34.76 J3.A5@63.25,32.904
NetJ3_B5: J3.B5 R9.2 | length 2.7
  Top Layer w0.25: R9.2 66.25,33.775 J3.B5
NetR12_2: R12.2 U5.7 | length 4.9
  Top Layer w0.25: R12.2 78.525,39.025 80.25,40.75 80.25,41.852 U5.7
NRST: C12.2 R5.1 SW2.3 SW2.4 U2.7 | length 35.4
  Top Layer w0.25: U2.7 53.5,50.25 v1(53.75,50.5) ; C12.2 76.485,45.46 R5.1 v1(76.5,46) 76.625,46.125 SW2.4 SW2.3
  Bottom Layer w0.25: v1(53.75,50.5) 55.75,48.5 74,48.5 v1(76.5,46)
SWCLK: pad.HS10@44.45,43.815 U2.37 | length 3.8
  Top Layer w0.25: pad.HS10@44.45,43.815 46.75,46.115 U2.37
SWDIO: pad.HS10@41.91,43.815 U2.36 | length 5.6
  Top Layer w0.25: pad.HS10@41.91,43.815 44.45,46.355 45.23,46.355 U2.36
UARTA_RXD: U2.39 U3.9 | length 10.6
  Top Layer w0.25: U3.9 45.75,39 45.25,39.5 45.25,41.25 47.25,43.25 47.25,45.25 47.75,45.75 U2.39
UARTA_TXD: U2.40 U3.8 | length 9
  Top Layer w0.25: U3.8 46.5,39.5 46.25,39.75 46.25,40.75 48.25,42.75 U2.40
UARTAD_N: J2.A7 J2.B7 U3.2 | length 11
  Top Layer w0.25: J2.A7 49.75,32 49.5,31.75 49,31.75 48.75,32 J2.B7 48.75,34.5 48.75,37.457 50.293,39 U3.2
UARTAD_P: J2.A6 J2.B6 U3.1 | length 9.1
  Top Layer w0.25: J2.A6 49.25,34 ; J2.B6 50.25,33.75 50,34 49.25,34 ; U3.1 50.5,38.5 49.25,37.25 49.25,34
UARTB_RXD: U2.41 U4.9 | length 18
  Top Layer w0.25: U2.41 48.75,44.75 54.5,39 U4.9
UARTB_TXD: U2.42 U4.8 | length 16.7
  Top Layer w0.25: U2.42 49.25,45.75 55,40 61,40 61.5,39.5 U4.8
UARTBD_N: J3.A7 J3.B7 U4.2 | length 11
  Top Layer w0.25: J3.A7 64.75,32 64.5,31.75 64,31.75 63.75,32 J3.B7 63.75,34.5 63.75,37.457 65.293,39 U4.2
UARTBD_P: J3.A6 J3.B6 U4.1 | length 9.1
  Top Layer w0.25: J3.A6 64.25,34 ; J3.B6 65.25,33.75 65,34 64.25,34 ; U4.1 65.5,38.5 64.25,37.25 64.25,34
V_SENSE: C20.2 R11.1 R14.2 U2.12 | length 27.4
  Top Layer w0.25: U2.12 60.225,52.75 R14.2 74,39.975 R11.1
pads on no net: J1.1 J1.2 J1.3 J1.4 J1.6 J1.7 J1.A8 J1.B8 J2.1 J2.2 J2.3 J2.4 J2.6 J2.7 J2.A8 J2.B8 J3.1 J3.2 J3.3 J3.4 J3.6 J3.7 J3.A8 J3.B8 J4_AMP1.5 J4_AMP1.6 J4_AMP2.5 J4_AMP2.6 J4_AMP3.5 J4_AMP3.6 J4_AMP4.5 J4_AMP4.6 J4_AMP5.5 J4_AMP5.6 J4_AMP6.5 J4_AMP6.6 U2.2 U2.3 U2.4 U2.8 U2.9 U2.10 U2.11 U2.14 U2.16 U2.19 U2.22 U2.24 U2.30 U2.31 U2.32 U2.38 U2.43 U2.44 U2.45 U2.47 U3.4 U3.5 U3.6 U4.4 U4.5 U4.6

## Polygon pours and split planes (outlines as drawn)
no net on Top Solder "NONET_L01_P-001" (solid): 97.5,34.5 97.5,41.5 90.5,41.5 90.5,34.5
no net on Top Solder "NONET_L01_P-001" (solid): 97.5,43.5 97.5,50.5 90.5,50.5 90.5,43.5
no net on Top Solder "NONET_L01_P-001" (solid): 81.5,25.5 88.5,25.5 88.5,32.5 81.5,32.5
no net on Top Solder "NONET_L01_P-001" (solid): 72.5,25.5 79.5,25.5 79.5,32.5 72.5,32.5
+3.3 on Top Layer "NONET_L01_P-001" (solid, pour order 50): 40.7,40.65 40.97,40.38 43.4,40.38 43.4,41.35 42.75,42 41.25,42 40.7,41.45 40.7,41.25
+5 on Top Layer "NONET_L01_P-001" (solid, pour order 49): 38.23,40.3 39.3,40.3 39.62,39.98 39.62,37.1 38.65,37.1 38.23,37.52
GND on Top Layer "GND_L01_P047" (solid, pour order 47): 88.97,62.88 88.38,63.47 88.38,65.1 88.105,65.375 88.105,68.355 88.5,68.75 89.5,68.75 89.975,68.275 89.975,66.75 90.27,66.455 90.27,64.07 90.9,63.44 90.9,62.88
GND on Top Layer "GND_L01_P046" (solid, pour order 46): 77.97,62.88 77.38,63.47 77.38,65.1 77.105,65.375 77.105,68.355 77.5,68.75 78.5,68.75 78.975,68.275 78.975,66.75 79.27,66.455 79.27,64.07 79.9,63.44 79.9,62.88
GND on Top Layer "GND_L01_P045" (solid, pour order 45): 66.97,62.88 66.38,63.47 66.38,65.1 66.105,65.375 66.105,68.355 66.5,68.75 67.5,68.75 67.975,68.275 67.975,66.75 68.27,66.455 68.27,64.07 68.9,63.44 68.9,62.88
GND on Top Layer "GND_L01_P044" (solid, pour order 44): 55.97,62.88 55.38,63.47 55.38,65.1 55.105,65.375 55.105,68.355 55.5,68.75 56.5,68.75 56.975,68.275 56.975,66.75 57.27,66.455 57.27,64.07 57.9,63.44 57.9,62.88
GND on Top Layer "GND_L01_P043" (solid, pour order 43): 44.97,62.88 44.38,63.47 44.38,65.1 44.105,65.375 44.105,68.355 44.5,68.75 45.5,68.75 45.975,68.275 45.975,66.75 46.27,66.455 46.27,64.07 46.9,63.44 46.9,62.88
+5 on Top Layer "+5_L01_P022" (solid, pour order 22): 31.75,35.75 32.25,35.75 32.25,33.679 32.4,33.529 32.4,32.229 31.8,32.229 31.8,33.7 31.75,33.75
+5 on Top Layer "+5_L01_P026" (solid, pour order 26): 46.75,35.75 47.25,35.75 47.25,33.679 47.4,33.529 47.4,32.229 46.8,32.229 46.8,33.7 46.75,33.75
GND on Top Layer "GND_L01_P038" (solid, pour order 38): 68.75,34.75 68.25,34.75 67.4,33.9 67.4,32.229 68,32.229 68,33.25 68.75,34
GND on Top Layer "GND_L01_P037" (solid, pour order 37): 60.25,34.75 60.75,34.75 61.6,33.9 61.6,32.229 61,32.229 61,33.25 60.25,34
GND on Top Layer "GND_L01_P036" (solid, pour order 36): 53.75,34.75 53.25,34.75 52.4,33.9 52.4,32.229 53,32.229 53,33.25 53.75,34
GND on Top Layer "GND_L01_P035" (solid, pour order 35): 45.25,34.75 45.75,34.75 46.6,33.9 46.6,32.229 46,32.229 46,33.25 45.25,34
GND on Top Layer "GND_L01_P034" (solid, pour order 34): 38.75,34.75 38.25,34.75 37.4,33.9 37.4,32.229 38,32.229 38,33.25 38.75,34
GND on Top Layer "GND_L01_P033" (solid, pour order 33): 30.25,34.75 30.75,34.75 31.6,33.9 31.6,32.229 31,32.229 31,33.25 30.25,34
+5 on Top Layer "+5_L01_P032" (solid, pour order 32): 67.25,35.75 66.75,35.75 66.75,33.679 66.6,33.529 66.6,32.229 67.2,32.229 67.2,33.7 67.25,33.75
+5 on Top Layer "+5_L01_P030" (solid, pour order 30): 61.75,35.75 62.25,35.75 62.25,33.679 62.4,33.529 62.4,32.229 61.8,32.229 61.8,33.7 61.75,33.75
+5 on Top Layer "+5_L01_P028" (solid, pour order 28): 52.25,35.75 51.75,35.75 51.75,33.679 51.6,33.529 51.6,32.229 52.2,32.229 52.2,33.7 52.25,33.75
+5 on Top Layer "+5_L01_P024" (solid, pour order 24): 37.25,35.75 36.75,35.75 36.75,33.679 36.6,33.529 36.6,32.229 37.2,32.229 37.2,33.7 37.25,33.75
GND on Top Layer "GND_L01_P018" (solid, pour order 18): 43.4,39.62 40.97,39.62 40.38,39.03 40.38,37.1 41.44,37.1 43.4,39.06
GND on Top Layer "GND_L01_P012" (solid, pour order 12): 33.97,62.88 33.38,63.47 33.38,65.1 33.105,65.375 33.105,68.355 33.5,68.75 34.5,68.75 34.975,68.275 34.975,66.75 35.27,66.455 35.27,64.07 35.9,63.44 35.9,62.88
BATTOUT on Top Layer "NONET_L01_P-001" (solid, pour order 9): 97.5,41.5 85.328,41.5 83.651,39.823 88.974,34.5 97.5,34.5
BATTIN on Top Layer "NONET_L01_P-001" (solid, pour order 8): 81.5,25.5 81.5,37.672 83.177,39.349 88.5,34.026 88.5,25.5
GND on Top Layer "NONET_L01_P-001" (solid, pour order 6): 97.5,43.5 97.5,50.5 86.5,50.5 86.5,43.5
GND on Top Layer "NONET_L01_P-001" (solid, pour order 5): 72.5,25.5 79.5,25.5 79.5,36.5 72.5,36.5
+5 on Top Layer "NONET_L01_P-001" (solid, pour order 0): 90.9,62.12 90.9,61.56 90.07,60.73 32.7,60.73 32.7,61.8 33.02,62.12 35.1,62.12
no net on Top Overlay "NONET_L01_P-001" (solid): 34.798,46.863 35.56,45.365 45.72,45.365 42.545,46.863
no net on Top Overlay "NONET_L01_P-001" (solid): 94,32 95.5,33.5 94,33.5
+3.3 on Bottom Layer "NONET_L01_P-001" (solid, pour order 51): 41,41.25 42,40.25 46.75,40.25 47.5,41 70.75,41 71.5,41.75 71.5,42.75 41,42.75
+5 on Bottom Layer "NONET_L01_P-001" (solid, pour order 48): 39.75,39 35.5,43.25 35.5,56.25 40,60.75 40,62 36.5,62 34.25,59.75 31.75,57.25 31.75,35.5 39.75,35.5
+5 on Bottom Layer "+5_L04_P042" (solid, pour order 42): 31.75,35.75 33.75,37.75 65.25,37.75 67.25,35.75 67.25,35 31.75,35
+5 on Bottom Layer "+5_L04_P040" (solid, pour order 40): 46.75,33.75 52.25,33.75 52.25,35.75 46.75,35.75
+5 on Bottom Layer "+5_L04_P041" (solid, pour order 41): 61.75,33.75 67.25,33.75 67.25,35.75 61.75,35.75
+5 on Bottom Layer "+5_L04_P039" (solid, pour order 39): 31.75,33.75 37.25,33.75 37.25,35.75 31.75,35.75
GND on Bottom Layer "NONET_L01_P-001" (solid, pour order 7): 72.5,36.5 80.5,36.5 86.5,42.5 86.5,50.5 91.5,50.5 91.5,40 83,31.5 72.5,31.5
no net on Bottom Solder "NONET_L01_P-001" (solid): 79.5,35.5 79.5,32.5 82.5,32.5 90.5,40.5 90.5,43.5 87.5,43.5 87.5,42 81,35.5
GND on Layer 1 "NONET_L01_P-001" (solid, pour order 10): 19.5,24.5 72.5,24.5 72.5,31.5 83,31.5 91.5,40 91.5,50.5 86.5,50.5 86.5,42.5 80.5,36.5 72.5,36.5 72.5,37.5 79.975,37.5 85.5,43.025 85.5,51.5 98.5,51.5 98.5,82.5 72.5,82.5 19.5,82.5
GND on Layer 2 "NONET_L01_P-001" (solid, pour order 11): 19.5,24.5 72.5,24.5 72.5,31.5 83,31.5 91.5,40 91.5,50.5 86.5,50.5 86.5,42.5 80.5,36.5 72.5,36.5 72.5,37.5 79.975,37.5 85.5,43.025 85.5,51.5 98.5,51.5 98.5,82.5 72.5,82.5 19.5,82.5

## Silkscreen, mask and mechanical layers (free items; w line width, h text height)
Top Overlay:
  drawing of 16 lines, arcs and shapes, not listed
  text "6" at 28.198,64.4 h3 r270
  text "5" at 39.196,64.4 h3 r270
  text "4" at 50.184,64.4 h3 r270
  text "3" at 61.182,64.4 h3 r270
  text "2" at 72.17,64.4 h3 r270
  text "1" at 83.178,64.4 h3 r270
  text "GND" at 87.816,58.496 h2
  text "NC" at 88.851,55.955 h2
  text "BOOT0" at 67.32,54.088 h2.5 r270
  text "RESET" at 82.32,54.074 h2.5 r270
  text "PWM" at 87.884,53.416 h2
  text "SWDIO" at 38.985,52 h2 r270
  text "SWCLK" at 40.985,51.998 h2 r270
  text "GND" at 34.985,50.15 h2 r270
  text "3V3" at 36.984,50.028 h2 r270
  text "3V3" at 55.195,43.455 h2
  text "5V" at 55.626,38.214 h2
  text "+" at 85.989,34.868 h5
  text "UART A" at 42.198,34.431 h3 r270
  text "UART B" at 57.198,34.34 h3 r270
  text "USB" at 27.199,30.117 h3 r270
Bottom Overlay:
  drawing of 2 lines, arcs and shapes, not listed
  text "Motor Thrust Test Board" at 85.824,48.131 h3
  text "Charles S Oct 2023" at 87.938,25.5 h2.5
Mechanical 1:
  the board outline again, w0.1